# KiCad board sun3_60_layout2_routing2.kicad_pcb (continued)
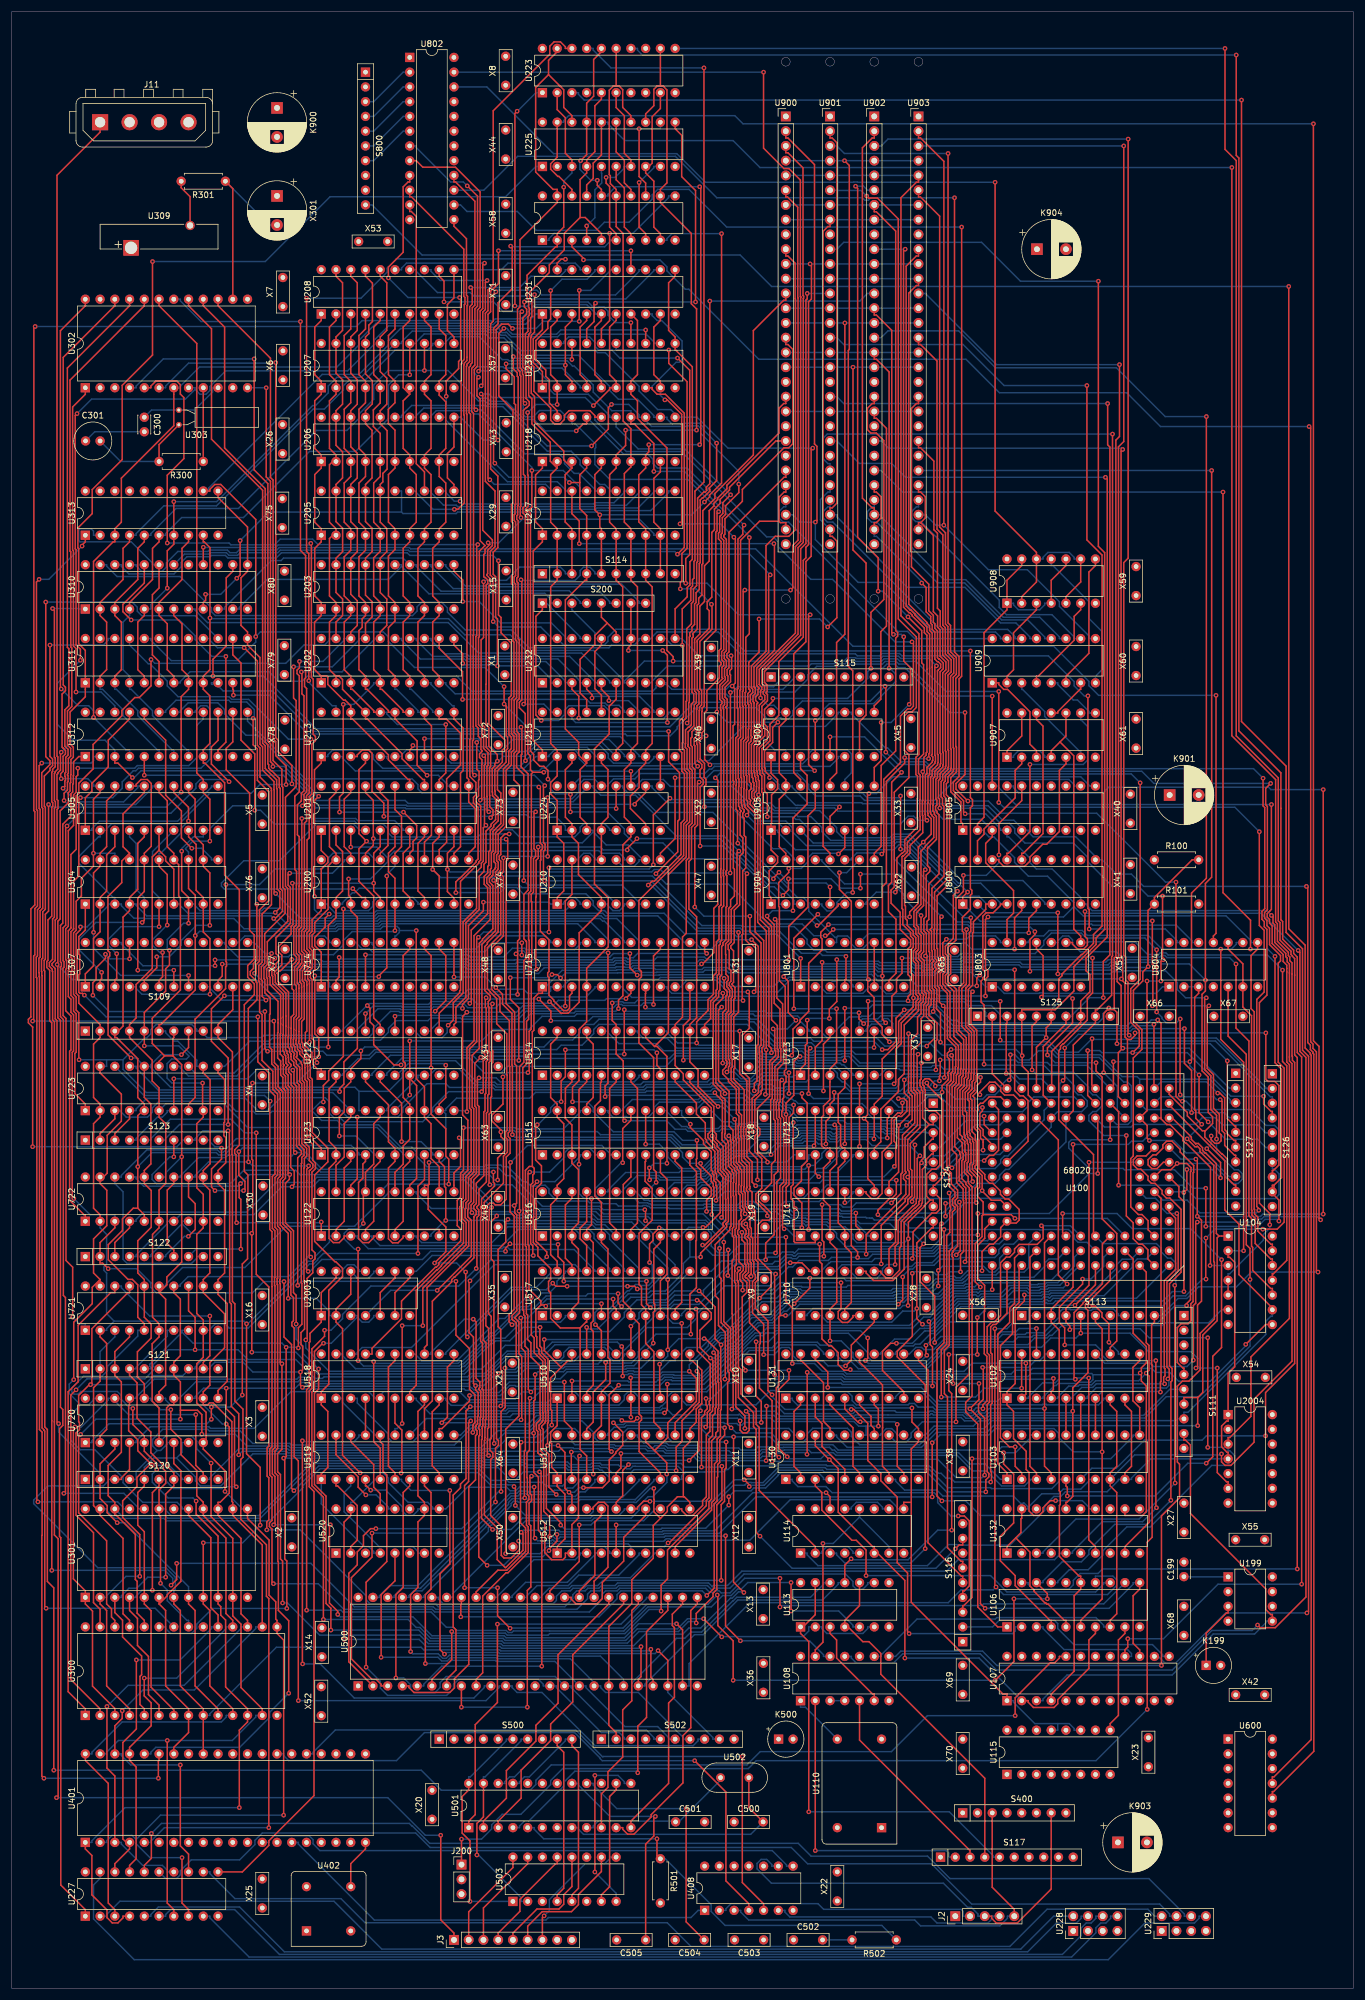
[diagram p0: board, top side]
## Routing (per net, layer and track width the routed paths; a pad name or vN(x,y) marks a point on that pad's centre or on a via; arc(x,y) is an arc through that point) (continued)
/sun3_60_cpu/C.S9-: length 278.2
  Top w0.25: v1(140.3,85.36) 140.99,84.68 U114.14 ; v1(87.78,78.54) 88.09,78.23 88.09,75.42 85.12,72.46 85.02,72.46 83.65,73.83 83.65,79.29 81.44,81.49 81.44,94.31 81.51,94.37 81.51,94.84 81.53,94.86 81.53,96.57 81.62,96.65 81.62,97.89 81.72,97.99 81.72,111.15 81.24,111.63 81.24,132.56 81.38,132.7 81.38,134.42 81.32,134.48 81.41,134.58 81.41,135.33 84.73,138.65 84.73,143.3 85.41,143.98 85.41,146.18 85.09,146.5 85.09,147.47 85.36,147.75 85.36,157.24 85.29,157.31 85.29,164.36 83.55,166.1 83.55,170.43 82.47,171.52 82.47,171.59 81.96,172.1 81.96,179.19 84.26,181.49 84.26,191.23 83.82,191.66 83.82,192.04 84.17,192.39 84.17,192.48 84.28,192.58 84.28,194.07 84,194.35 84,194.96 84.28,195.24 84.28,198.07 84.97,198.77 v1(85.71,198.77) ; U311.14 38.1,229.61 39.51,228.2 39.51,214.92 41.88,212.55 v1(41.88,202.85)
  Bottom w0.25: v1(87.78,78.54) 88.14,78.89 94.24,78.89 94.52,78.62 112.06,78.62 112.22,78.78 121.12,78.78 127.7,85.36 v1(140.3,85.36) ; v1(85.71,198.77) 80.85,198.77 80.34,198.26 65.56,198.26 64.91,198.9 64.91,199.58 63.97,200.53 59.53,200.53 59.07,200.98 52.22,200.98 51.72,200.48 45.24,200.48 42.87,202.85 v1(41.88,202.85)
/sun3_60_cpu/C.S21-: length 412.2
  Top w0.25: v1(172.88,46.95) 172.88,50.03 178.88,56.03 179.65,56.03 180.5,56.88 180.5,57.16 U107.20 ; v1(6.36,203.84) 6.36,185.49 5.81,184.94 5.81,177.21 5.6,177 5.6,175.27 5.7,175.18 5.7,96.69 6.16,96.23 6.16,70.07 7.26,68.96 v1(7.26,37.56) ; v1(29.21,205.98) 29.21,222.4 30.48,223.67 U311.8 30.48,225.93 29.35,227.05 29.35,234.96 27.94,236.37 U310.7
  Bottom w0.25: v1(7.26,37.56) 70.57,37.56 74.01,34.13 89.34,34.13 90.31,35.1 90.31,35.83 92.96,38.48 126.67,38.48 128.96,40.76 151.56,40.76 157.75,46.95 v1(172.88,46.95) ; v1(6.36,203.84) 6.82,203.39 26.62,203.39 v1(29.21,205.98)
/sun3_60_cpu/CLK1: length 275.8
  Top w0.25: v1(140.71,183.17) 139.38,181.83 139.38,180.95 139.62,180.71 139.62,178.82 137.3,176.5 137.3,168.21 135.84,166.75 135.84,166.39 134.61,165.16 134.61,161.1 134.45,160.94 134.45,160.72 134.4,160.67 v1(134.4,160.65) ; v1(176.27,181.94) 176.27,181.46 175.42,180.6 v1(175.42,175.12) ; v1(73.32,120.19) 73.32,120.19 79.19,126.06 79.19,132.25 78.57,132.87 78.57,134 78.7,134.13 78.7,135.06 79.15,135.51 79.15,139.43 80.07,140.35 80.07,151.65 79.79,151.93 79.79,159.28 v1(80.81,160.3) ; U100.28 195.78,130.63 195.78,132.18 194.71,133.24 194.1,133.24 192.78,134.56 192.78,142.88 193.22,143.31 193.22,160.19 194.7,161.68 194.7,165.08 193.25,166.53 193.25,171.85 194.86,173.46 194.86,175 v1(195.79,175.94) 195.76,175.97 195.76,185.59 R101.1 196.87,187.83 203.36,194.32 R100.2
  Bottom w0.25: v1(176.27,181.94) 175.5,182.72 165.14,182.72 164.96,182.9 164.69,183.17 v1(140.71,183.17) ; v1(195.79,175.94) 195.63,175.78 191.63,175.78 191.34,175.49 189.99,175.49 189.72,175.77 189.7,175.77 189.26,175.33 185.28,175.33 185.2,175.4 175.69,175.4 v1(175.42,175.12) ; v1(80.81,160.3) 81.03,160.52 88.26,160.52 88.66,160.12 113.33,160.12 114.21,161 128.53,161 129.04,160.48 129.44,160.48 129.49,160.43 129.73,160.43 129.79,160.37 133.62,160.37 133.89,160.65 v1(134.4,160.65) ; U2003.4 65.3,120.19 v1(73.32,120.19)
/sun3_60_cpu/CLK2X: length 16
  Top w0.25: U113.3 140.99,61.11 142.11,59.99 142.11,56.88 148.32,50.67 148.6,50.67 U108.6
/sun3_60_cpu/CLKA: length 173.4
  Top w0.25: v1(50.82,65.12) 50.82,103.06 51.27,103.51 51.27,105.96 51.25,105.98 51.25,107.33 51.27,107.35 51.27,111.22 51.4,111.35 51.4,112.78 53.34,114.72 U2003.1 53.34,119.8 55.88,122.34 U2003.13 ; v1(134.27,64.98) v1(134.27,69.88)
  Bottom w0.25: v1(134.27,64.98) 142.48,64.98 144.94,62.52 144.94,62.24 U113.5 ; U2003.11 59.83,123.47 59.83,123.75 58.99,124.59 57.85,124.59 57.01,123.75 57.01,123.47 U2003.13 ; v1(50.82,65.12) 56.74,65.12 57.05,64.81 72.25,64.81 74.89,62.17 76.11,62.17 76.66,61.62 85.22,61.62 85.57,61.27 86.17,61.27 86.45,61.55 92.66,61.55 92.67,61.53 105.46,61.53 109.62,65.69 120.54,65.69 122.49,67.64 123.95,67.64 125.09,68.78 125.73,68.78 126.83,69.88 v1(134.27,69.88)
/sun3_60_cpu/CLKA-: length 173.6
  Top w0.25: v1(119.21,63.64) v1(122.33,60.52) ; v1(53.71,63.52) 53.71,84.57 51.72,86.56 51.72,102.69 52.17,103.14 52.17,106.33 52.15,106.35 52.15,106.95 52.17,106.98 52.17,109.66 53.59,111.08 v1(53.73,111.08) ; U2003.9 66.04,122.34 63.5,119.8 U2003.5
  Bottom w0.25: 59.55,115.56 55.06,111.08 v1(53.73,111.08) ; 59.55,115.56 60.39,114.72 61.53,114.72 62.37,115.56 62.37,115.84 U2003.5 ; 59.55,115.56 59.55,115.84 U2003.3 ; v1(122.33,60.52) 122.38,60.57 136.36,60.57 137.32,61.54 137.32,62.24 U113.2 139.57,62.24 139.57,61.96 140.42,61.11 146.63,61.11 147.48,61.96 147.48,62.24 U113.6 ; v1(53.71,63.52) 68.31,63.52 69.69,62.14 70.33,62.14 72.2,60.27 84.66,60.27 85.01,59.92 105.79,59.92 107.77,61.9 114.68,61.9 116.43,63.64 v1(119.21,63.64)
/sun3_60_cpu/D0: length 275.9
  Top w0.25: U100.130 167.53,148.72 v1(167.53,150.18) ; 158.08,148.73 156.93,149.88 156.93,154.4 156.93,154.4 156.93,154.51 156.73,154.7 156.73,155.16 156.49,155.41 156.49,156.38 156.67,156.57 156.67,159.28 v1(156.73,159.34) ; 158.08,148.73 158.77,148.73 S124.2 ; 158.08,148.73 154.82,145.47 154.82,141.11 155.09,140.84 155.09,137.95 155.09,137.95 155.09,136.44 154.87,136.21 154.81,136.21 154.39,135.79 154.39,135.09 152.27,132.98 152.27,128.48 151.15,127.35 U710.8 ; v1(130.89,161.1) 130.89,161.84 130.46,162.27 130.46,182.52 128.97,184 128.97,204.31 128.51,204.78 128.37,204.78 127.94,205.21 127.94,205.81 128.31,206.18 128.31,206.91 128.33,206.93 128.33,207.75 128.18,207.91 128.18,208.52 128,208.7 128,209.33 127.89,209.44 127.89,213.98 128.28,214.37 128.28,214.86 129.28,215.86 129.28,216.81 129.12,216.97 129.1,216.97 128.79,217.27 128.79,220.93 129.75,221.89 129.75,222.6 129.47,222.88 129.47,223.26 129.7,223.48 129.7,224.22 129.25,224.67 129.25,224.71 129.25,224.71 129.25,226.95 135.47,233.17 135.47,248.07 136.38,248.97 136.38,290.98 136.43,291.03 136.43,291.38 136.33,291.48 136.33,313.46 133.73,316.06 133.37,316.06 U900.3
  Bottom w0.25: v1(156.73,159.34) 146.13,159.34 144.55,160.92 143.04,160.92 142.94,160.82 138.18,160.82 138.05,160.7 137.08,160.7 136.95,160.82 136.7,160.82 136.15,161.38 131.16,161.38 v1(130.89,161.1) 130.67,160.88 129.68,160.88 129.62,160.93 129.4,160.93 128.89,161.45 112.31,161.45 111.08,162.67 104.61,162.67 102.73,164.55 102.73,164.84 U514.20 ; v1(167.53,150.18) 160.21,150.18 159.89,149.86 S124.2
/sun3_60_cpu/D1: length 298.8
  Top w0.25: S124.3 158.77,146.19 158.53,146.19 157.19,144.86 157.19,143.05 156.74,142.6 v1(156.74,142.15) 156.45,141.86 156.45,135.64 156.29,135.48 156.29,135 155.6,134.31 155.51,134.31 153.24,132.03 153.24,127.78 152.96,127.5 152.96,123.66 151.63,122.34 150.62,122.34 149.73,123.23 149.73,123.47 U710.9 ; v1(105.59,149.39) 105.36,149.62 105.36,159.67 104.14,160.89 U514.19 104.14,165.96 103.46,166.64 v1(103.46,169.68) ; U900.6 133.37,308.44 133.67,308.44 135.42,306.68 135.42,291.11 135.47,291.06 135.47,249.34 134.57,248.44 134.57,241.15 v1(134.18,240.76) ; v1(126.3,240.76) 126.02,240.48 126.02,223.41 125.91,223.3 125.91,220.82 126.02,220.71 126.02,217.21 126.02,217.2 126.02,215.29 125.63,214.91 125.63,208.51 125.74,208.4 125.74,206.8 125.68,206.74 125.68,204.27 125.74,204.21 125.74,203.67 125.88,203.54 125.88,203.2 126.19,202.88 126.19,202.61 126.07,202.48 126.07,202.43 125.95,202.31 125.95,201.71 126.19,201.46 126.19,198.5 126.46,198.23 126.46,192.91 125.94,192.39 125.94,181.52 125.85,181.44 125.85,170.22 v1(126,170.08)
  Bottom w0.25: v1(103.46,169.68) 103.66,169.88 105.26,169.88 105.45,169.69 107.35,169.69 107.8,170.14 125.94,170.14 v1(126,170.08) ; v1(126.3,240.76) v1(134.18,240.76) ; U100.129 170.35,146.21 164.69,146.21 159.6,141.11 157.77,141.11 v1(156.74,142.15) ; S124.3 157.64,147.32 157.55,147.41 152.3,147.41 152.11,147.6 150.64,147.6 150.29,147.96 141.29,147.96 141.09,148.15 135.58,148.15 135.22,147.79 134.15,147.79 133.99,147.94 128.29,147.94 128.02,148.21 127.42,148.21 127.14,147.94 122.96,147.94 122.91,147.99 122.31,147.99 121.88,147.56 116.51,147.56 116.13,147.94 114.29,147.94 112.84,149.39 v1(105.59,149.39)
/sun3_60_cpu/D2: length 258
  Top w0.25: v1(129.84,153.93) 129.98,154.07 v1(129.98,161.61) 130,161.64 130,182.07 128.52,183.55 128.52,202.55 127.23,203.85 127.23,204.36 127.32,204.45 127.32,204.55 127.04,204.83 127.04,206.18 127.41,206.55 127.41,207.28 127.43,207.3 127.43,207.38 127.1,207.71 127.1,208.96 126.99,209.07 126.99,214.35 127.38,214.74 127.38,215.23 127.54,215.39 127.54,215.5 127.37,215.67 127.37,216.64 127.44,216.71 127.44,221.21 127.26,221.38 127.26,222.73 127.66,223.14 127.66,223.7 127.44,223.92 127.44,223.96 127.44,223.96 127.44,227.69 129.96,230.21 129.96,248.43 131.55,250.02 133.88,250.02 135.02,251.16 135.02,290.87 134.97,290.92 134.97,297.04 133.73,298.28 133.37,298.28 U900.10 ; U710.10 147.19,123.47 147.19,123.18 148.49,121.89 151.82,121.89 153.75,123.81 153.75,131.89 155.71,133.86 155.79,133.86 156.74,134.81 156.74,135.12 156.9,135.27 156.9,141.03 157.59,141.72 157.59,142.76 158.49,143.65 158.77,143.65 S124.4
  Bottom w0.25: 161.37,146.34 161.29,146.26 161.29,146.18 159.89,144.78 S124.4 ; 161.37,146.34 164.49,149.45 167.83,149.45 167.83,149.46 168.52,149.46 U100.143 ; 161.37,146.34 159.08,148.64 155.18,148.64 154.42,149.4 154.31,149.4 154.31,149.4 149.97,149.4 149.61,149.76 148.39,149.76 147.48,150.67 147.48,151.37 146.5,152.35 135.49,152.35 135,152.84 134.76,152.84 134.48,153.12 133.95,153.12 133.72,153.35 133.5,153.35 132.92,153.93 v1(129.84,153.93) ; U514.18 107.81,164.84 107.81,164.59 108.82,163.57 112.93,163.57 114.6,161.9 129.69,161.9 v1(129.98,161.61)
/sun3_60_cpu/D3: length 272.2
  Top w0.25: v1(112.89,142.06) 112.89,160.47 111.18,162.18 110.75,162.18 ; U900.13 133.37,290.66 133,290.66 127.78,285.44 127.78,264.02 121.15,257.4 121.15,256.52 119.07,254.44 119.07,245.3 118.91,245.13 118.91,239.92 118.36,239.37 118.36,238.43 118.1,238.17 118.1,234.02 117.32,233.24 117.32,233.14 117.42,233.03 117.42,232.71 117.2,232.48 117.2,223.2 117.5,222.9 117.5,221.55 117.09,221.13 117.09,217.57 116.66,217.14 116.56,217.14 116.09,216.67 116.09,214.34 116.05,214.3 116.05,213.67 116.35,213.37 116.35,209.96 116.8,209.51 116.8,200.86 116.22,200.28 116.22,194.85 113.14,191.77 113.14,164.57 110.75,162.18 ; U514.17 109.22,163.71 110.75,162.18 ; v1(156.47,143.36) 156,142.89 156,136.04 155.84,135.88 155.84,135.19 155.41,134.76 155.3,134.76 152.72,132.18 152.72,128.29 152.2,127.77 v1(152.2,124.63) ; v1(109.91,139.22) 109.85,139.27 v1(109.85,141.27)
  Bottom w0.25: v1(112.89,142.06) 110.64,142.06 v1(109.85,141.27) ; v1(152.2,124.63) 150.72,124.63 150.02,123.93 150.02,123.23 149.1,122.31 145.6,122.31 144.65,123.26 144.65,123.47 U710.11 ; U100.142 170.29,148.68 166.02,148.68 160.71,143.37 158.77,143.37 S124.5 157.64,142.24 157.64,142.28 156.56,143.36 v1(156.47,143.36) 154.7,145.12 148.23,145.12 147.21,146.15 142.71,146.15 142.33,145.77 140.92,145.77 140.54,146.15 138.93,146.15 138.73,146.35 136.33,146.35 135.97,145.98 133.4,145.98 133.24,146.13 128.67,146.13 126.75,144.21 124.13,144.21 123.12,143.21 122.84,143.21 119.44,139.81 118.83,139.81 118.7,139.68 118.14,139.68 117.65,139.19 111.65,139.19 111.33,139.51 110.2,139.51 v1(109.91,139.22)
/sun3_60_cpu/D4: length 252.4
  Top w0.25: v1(156.16,160.84) 155.99,160.67 155.99,154.81 156.48,154.32 156.48,154.21 156.48,154.21 156.48,148.23 154.37,146.11 154.37,140.93 154.64,140.65 154.64,139.7 ; U100.156 170.01,151.31 170.01,144.3 169.13,143.42 168.44,143.42 v1(167.54,142.52) ; 154.64,139.7 154.64,136.68 153.93,135.98 153.93,135.5 149.8,131.37 v1(149.8,124.74) ; 154.64,139.7 v1(154.37,139.7) ; v1(118.01,162.77) 118.01,166.42 119.96,168.37 119.96,170.24 120.89,171.17 120.89,174.36 121.41,174.88 121.41,180.19 121.86,180.65 121.86,186.22 122.15,186.51 122.15,186.51 122.21,186.57 122.21,191.31 122.15,191.37 122.15,192.72 122.21,192.78 122.21,220.07 122.13,220.15 122.13,220.99 122.36,221.22 122.36,221.59 121.99,221.96 121.99,224.39 122.95,225.35 122.95,225.76 122.8,225.9 122.8,227.25 123.12,227.57 123.12,228.62 122.76,228.98 122.76,229.95 123.12,230.31 123.12,249.49 122.67,249.94 122.67,250.19 122.88,250.39 122.88,253.04 125.88,256.05 125.88,258.09 133.05,265.26 133.87,265.26 134.57,265.96 134.57,282.2 133.73,283.04 133.37,283.04 133.37,284.22
  Bottom w0.25: v1(167.54,142.52) 165.92,142.52 162.91,139.51 158.95,139.51 S124.6 v1(154.37,139.7) ; v1(149.8,124.74) 149.65,124.59 143.06,124.59 142.11,123.65 142.11,123.47 U710.12 ; v1(156.16,160.84) 145.37,160.84 144.83,161.38 142.85,161.38 142.84,161.37 138.08,161.37 137.86,161.15 137.26,161.15 137.04,161.37 136.93,161.37 136.47,161.83 130.89,161.83 130.33,162.39 118.39,162.39 v1(118.01,162.77) 114.71,162.77 112.89,164.59 112.89,164.84 U514.16
/sun3_60_cpu/D5: length 241.6
  Top w0.25: v1(127.39,122.59) 127.39,122.47 127.25,122.34 126.95,122.64 127.4,123.09 127.4,124.93 127.2,125.13 127.2,128.97 126.75,129.43 126.75,129.47 126.98,129.7 126.98,130.67 126.75,130.9 126.75,131.35 v1(126.47,131.62) ; U100.155 170.36,153.5 168.39,153.5 167.29,152.4 166.89,152.4 166.47,151.98 166.47,151.38 166.56,151.28 166.34,151.05 166.34,148.24 166.9,147.67 166.9,146.4 167.17,146.14 167.35,146.14 167.35,145.71 167.35,145.71 v1(167.35,144.32) ; U900.20 133.37,272.88 133,272.88 132.19,272.07 132.19,267.79 123.22,258.82 123.22,258.19 121.6,256.57 121.6,256.33 120.98,255.71 120.98,255.25 120.17,254.44 120.17,245.75 119.36,244.94 119.36,238.79 118.55,237.99 118.55,233.2 117.65,232.3 117.65,231.69 117.65,231.69 117.65,223.38 117.95,223.08 117.95,221.36 117.6,221 117.6,220.44 117.54,220.39 117.54,217.38 117.09,216.93 117.09,216.9 116.54,216.35 116.54,214.15 116.51,214.12 116.51,213.86 116.8,213.56 116.8,210.15 117.25,209.7 117.25,200.67 116.67,200.09 116.67,194.66 116.22,194.21 116.22,181.67 115.57,181.02 115.57,167.23 114.3,165.96 U514.15 114.3,158.9 115.71,157.48 115.71,156.42 120.52,151.61 120.52,147.66 119.95,147.09 119.95,146.49 120.45,145.99 120.45,145.83 121.08,145.2 121.08,144.8 121.66,144.22 121.66,140.64 122.29,140.01 122.29,139.91 122.56,139.64 122.56,139.51 122.52,139.46 122.52,132.97 v1(122.29,132.74) ; U710.13 137.32,123.47 137.32,123.75 136.12,124.94 v1(134.13,124.94) ; v1(160.3,140.25) 160.3,139.57 159.01,138.29 158.77,138.29 S124.7 159.9,136.02 159.9,134.13 159.26,133.49 158.52,133.49 155.29,130.26 155.29,125.81 v1(155.15,125.67)
  Bottom w0.25: U710.13 139.57,123.47 139.57,123.66 140.79,124.88 140.88,124.88 141.13,125.13 148.18,125.13 148.72,125.67 v1(155.15,125.67) ; v1(126.47,131.62) 123.4,131.62 v1(122.29,132.74) ; v1(134.13,124.94) 133.4,124.94 132.29,123.83 128.62,123.83 v1(127.39,122.59) ; v1(160.3,140.25) 160.3,140.62 164.01,144.32 v1(167.35,144.32)
/sun3_60_cpu/D6: length 265.6
  Top w0.25: v1(121.7,151.84) 118.25,155.29 118.25,158.12 116.84,159.54 U514.14 116.84,165.96 118,167.12 118,184.51 116.67,185.84 116.67,194.02 117.12,194.47 117.12,199.9 117.71,200.49 117.71,209.88 117.25,210.33 117.25,213.75 116.99,214.01 116.99,215.24 117.2,215.44 117.2,216.37 117.54,216.72 117.54,216.74 117.99,217.19 117.99,220.2 118.05,220.26 118.05,220.81 118.4,221.17 118.4,223.27 118.1,223.57 118.1,231.88 118.1,231.88 118.1,232.11 120.17,234.18 120.17,237.21 119.82,237.56 119.82,238.75 120.62,239.55 120.62,250.69 121.07,251.14 121.07,254.7 122.06,255.69 122.06,256.39 123.67,258 123.67,258.45 131.65,266.44 133.37,266.44 ; U100.154 172.59,153.82 171.04,153.82 170.38,154.48 170.38,155.06 169.41,156.03 168.48,156.03 166.81,154.36 v1(166.81,153.87) ; 158.23,135.75 157.62,136.36 157.62,140.15 158.51,141.04 159.2,141.04 159.89,141.73 159.89,150.34 159.17,151.06 158.04,151.06 157.39,151.72 157.39,154.69 157.21,154.87 157.21,155.32 156.94,155.59 156.94,156.2 157.36,156.62 158.03,156.62 158.15,156.5 158.23,156.5 159.27,155.46 159.27,155.13 159.22,155.13 159.12,155.23 v1(159.12,155.36) ; 158.23,135.75 157.19,134.71 157.19,134.62 154.48,131.91 v1(154.48,129.08) 154.42,129.02 v1(154.42,117.58) ; 158.23,135.75 158.77,135.75 S124.8 ; v1(126.34,133.36) 126.2,133.51 126.2,134.24 125.93,134.5 125.93,136.78 125.68,137.03 125.68,138.15 125.75,138.22 125.75,140.93 125.45,141.22 125.45,141.54 124.84,142.15 124.84,143.18 124.84,143.18 124.84,146.14 124.73,146.25 124.73,149.48 v1(124.56,149.65)
  Bottom w0.25: v1(166.81,153.87) 165.15,155.53 159.28,155.53 v1(159.12,155.36) ; v1(154.42,117.58) 153.55,117.58 153.05,117.08 138.06,117.08 137.03,116.05 137.03,115.84 U710.1 ; v1(121.7,151.84) 122.37,151.84 v1(124.56,149.65) ; v1(154.48,129.08) 153.79,128.39 145.62,128.39 144.94,129.07 144.94,129.77 143.58,131.13 140.68,131.13 140.29,131.52 137.44,131.52 137.44,131.52 137.09,131.52 136.87,131.29 136.85,131.29 136.43,131.71 136.35,131.71 136.34,131.72 133.81,131.72 133.48,132.05 130.54,132.05 130.35,132.24 127.46,132.24 v1(126.34,133.36)
/sun3_60_cpu/D7: length 277
  Top w0.25: v1(125.41,164.84) 125.41,157.51 126.65,156.28 126.65,148.08 126.54,147.98 126.54,147 126.65,146.89 126.65,143.93 126.65,143.93 126.65,143.22 127.55,142.31 127.55,138.82 v1(128.18,138.2) ; U100.140 180.31,146.09 180.31,122.8 v1(181.82,121.29) ; S124.9 158.77,130.95 158.53,130.95 155.93,128.35 v1(155.93,117.06) 155.93,115.33 v1(156.91,114.36) ; v1(152.4,139.14) 152.4,136.77 151.64,136.02 151.24,136.02 149.22,134 v1(149.22,133.21) ; U514.13 119.38,165.96 120.41,166.99 120.41,169.97 121.35,170.9 121.35,171.84 121.56,172.05 121.56,174.39 121.86,174.69 121.86,179.59 122.09,179.82 122.09,180.23 122.31,180.46 122.31,186.03 122.61,186.33 122.61,186.33 122.67,186.39 122.67,191.5 122.6,191.56 122.6,192.54 122.67,192.6 122.67,220.26 122.59,220.34 122.59,220.8 122.81,221.03 122.81,221.78 122.44,222.15 122.44,224.21 123.4,225.16 123.4,225.95 123.26,226.09 123.26,227.07 123.57,227.38 123.57,228.8 123.21,229.16 123.21,229.77 123.57,230.13 123.57,250.71 133.05,260.18 133.37,260.18 U900.25
  Bottom w0.25: U710.2 139.57,115.84 139.57,115.66 140.52,114.72 151.61,114.72 153.5,116.61 155.49,116.61 v1(155.93,117.06) ; v1(149.22,133.21) 149.67,132.77 156.95,132.77 157.64,132.08 S124.9 ; v1(181.82,121.29) 181.15,120.62 178.66,120.62 178.44,120.4 177.25,120.4 177.02,120.17 175.36,120.17 174.95,120.58 172.18,120.58 170.73,119.13 167.2,119.13 166.74,118.68 166.21,118.68 166.14,118.74 164.96,118.74 164.96,118.74 162.87,118.74 158.74,114.61 158.74,114.53 158.31,114.1 157.16,114.1 v1(156.91,114.36) ; U514.13 v1(125.41,164.84) ; v1(128.18,138.2) 131.15,138.2 131.63,138.68 139.2,138.68 139.66,139.14 v1(152.4,139.14)
/sun3_60_cpu/D8: length 290.7
  Top w0.25: v1(153.77,156.42) 153.77,154.17 154.67,153.27 154.67,150.47 v1(152.79,148.59) 152.8,148.58 152.8,140.56 151.15,138.91 U711.8 ; U100.168 168.93,157.48 S125.2 ; v1(160.66,156.83) 160.74,156.92 160.74,168.91 v1(160.47,169.17) 159.83,169.82 159.83,172.24 159.5,172.57 159.5,175 159.83,175.33 159.83,175.71 159.48,176.06 159.48,176.25 159.8,176.57 159.8,177.27 159.5,177.57 159.5,178.97 159.38,179.09 159.38,182.19 159.44,182.25 159.44,188.12 161.57,190.26 161.57,204.97 161.02,205.52 161.02,207.42 161.29,207.69 161.29,208.61 162.22,209.54 162.22,209.85 162.3,209.94 162.3,213.53 162.2,213.64 162.2,225.74 162.75,226.29 162.75,229.13 161.75,230.14 161.75,234.67 161.32,235.1 v1(161.32,315.94)
  Bottom w0.25: v1(161.32,315.94) 143.46,315.94 142.16,317.24 U901.3 ; v1(153.77,156.42) 154.33,156.98 160.51,156.98 v1(160.66,156.83) ; S125.2 167.8,167.38 167.8,168.02 167.05,168.77 160.88,168.77 v1(160.47,169.17) ; U515.20 102.73,151.14 102.73,150.86 103.62,149.96 105.13,149.96 105.29,150.12 105.89,150.12 106.04,149.96 109.65,149.96 110.63,150.94 110.63,151.64 111.58,152.59 118.49,152.59 118.94,153.04 122.21,153.04 122.38,152.88 123.09,152.88 123.82,152.14 132.35,152.14 133.28,151.21 133.79,151.21 134.13,150.87 134.13,150.5 134.82,149.81 134.95,149.81 135.35,149.41 135.36,149.41 143.33,149.41 143.88,148.86 152.52,148.86 v1(152.79,148.59)
/sun3_60_cpu/D9: length 273
  Top w0.25: v1(171.33,157.53) 171.33,166.11 171.47,166.25 S125.3 ; v1(154.42,170.05) 154.42,170.8 154.84,171.22 154.84,174.12 154.41,174.55 154.41,178.99 154.86,179.43 154.86,180.54 153.07,182.33 153.07,185.28 151.5,186.85 151.5,189.1 152.05,189.65 152.05,205.94 154.57,208.46 154.57,212.39 153.79,213.17 153.79,219.1 154.45,219.76 155.06,219.76 155.85,220.55 155.85,232.7 152.74,235.8 152.74,304.66 149.15,308.25 147.64,308.25 v1(147.29,308.61) ; U711.9 148.6,138.29 147.48,139.41 147.48,149.15 v1(146.84,149.79) 147.45,150.4 147.45,165.74 147.54,165.83 v1(147.54,169.97)
  Bottom w0.25: v1(146.84,149.79) 146.67,149.95 135.44,149.95 134.58,150.82 134.58,151.09 134.01,151.66 133.46,151.66 132.53,152.59 126.74,152.59 126,153.33 122.57,153.33 122.4,153.49 118.76,153.49 118.31,153.04 106.93,153.04 105.27,151.38 105.27,151.14 U515.19 ; U901.6 142.16,309.62 142.21,309.57 146.33,309.57 v1(147.29,308.61) ; 154.42,169.97 v1(154.42,170.05) ; 154.42,169.97 154.62,169.77 157.27,169.77 157.4,169.9 160.77,169.9 160.78,169.89 164.09,169.89 164.76,169.22 168.78,169.22 170.34,167.66 170.34,167.38 S125.3 ; 154.42,169.97 v1(147.54,169.97) ; U100.167 174,155.29 171.76,157.53 v1(171.33,157.53)
/sun3_60_cpu/D10: length 318.2
  Top w0.25: U100.153 175.13,153.81 175.13,157.77 174.09,158.81 v1(174.09,160.59) 174,160.67 S125.4 174,168.5 179.77,168.5 182.99,171.72 182.99,175.93 186.82,179.75 186.82,180.87 188.29,182.34 188.29,247.2 187.21,248.28 v1(187.21,293.94) ; U515.18 106.68,149.46 105.27,148.05 v1(105.27,142.17) ; v1(161.84,161.65) 161.19,161.01 161.19,160.35 161.55,159.99 161.55,157.97 161.29,157.7 161.29,157.22 161.38,157.13 161.38,156.53 161.29,156.44 161.29,156.4 160.29,155.4 v1(160.29,154.3) ; U711.10 147.19,137.16 147.19,136.88 148.08,135.99 149.08,135.99 149.96,136.87 149.96,143.97 151.57,145.58 151.57,149.67 152.64,150.74 153.01,150.74 153.15,150.61 153.46,150.92 v1(153.46,152.47)
  Bottom w0.25: v1(160.29,154.3) 160.17,154.18 155.17,154.18 v1(153.46,152.47) ; U711.10 144.94,137.16 144.94,136.9 144.05,136.01 139.66,136.01 139.12,135.48 133.16,135.48 132.57,134.88 128.41,134.88 127.8,135.49 125.71,135.49 125.1,134.88 121.18,134.88 121.12,134.95 121.04,134.95 120.96,135.02 119.29,135.02 119.15,134.88 110.21,134.88 109.98,135.11 109.71,135.11 109.56,135.26 108.08,135.26 107.33,136.01 101.14,136.01 100.47,136.68 100.47,137.65 104.99,142.17 v1(105.27,142.17) ; v1(174.09,160.59) 173.02,161.65 v1(161.84,161.65) ; v1(187.21,293.94) 173.79,293.94 167.1,300.63 143.34,300.63 142.16,299.46 U901.10
/sun3_60_cpu/D11: length 320.5
  Top w0.25: v1(127.18,184.61) 127.18,181.93 129.1,180.01 129.1,162.4 128.8,162.1 128.8,161.12 128.85,161.07 128.85,155.64 128.66,155.44 128.66,154.25 128.23,153.82 128.13,153.82 127.56,153.25 127.56,147.64 v1(127.72,147.49) ; v1(118.43,207.7) 118.16,207.43 118.16,200.3 117.68,199.83 v1(117.68,186.19) ; v1(155.11,135.49) 155.03,135.57 155.03,135.74 155.54,136.25 155.54,145.17 v1(155.62,145.24) ; U711.11 v1(143.53,135.28) ; U515.17 v1(109.22,145.36) ; S125.5 176.55,166.44 175.79,165.68 v1(175.79,158.14) ; v1(128.67,205.51) 128.76,205.6 128.76,206.72 128.79,206.74 128.79,207.94 128.63,208.09 128.63,208.71 128.45,208.89 128.45,209.52 128.34,209.63 128.34,213.79 128.73,214.18 128.73,214.67 129.73,215.67 129.73,216.99 129.31,217.42 129.28,217.42 129.25,217.46 129.25,220.75 130.2,221.7 130.2,222.79 129.97,223.02 129.97,223.12 130.15,223.3 130.15,224.41 129.89,224.67 129.7,224.86 129.7,224.89 129.7,224.89 129.7,226.76 135.92,232.99 135.92,247.88 136.83,248.78 136.83,290.68 137.05,290.9 v1(137.05,291.84)
  Bottom w0.25: v1(127.18,184.61) 119.26,184.61 v1(117.68,186.19) ; 155.11,135.99 144.69,135.99 143.99,135.28 v1(143.53,135.28) ; 155.11,135.99 v1(155.11,135.49) ; 155.11,135.99 161.55,135.99 162.59,137.02 164.69,137.02 166.28,138.61 169.4,138.61 170.2,139.4 170.2,139.99 171.22,141.01 171.78,141.01 179.09,148.31 U100.139 180.17,150.95 184.32,150.95 185.29,151.92 185.29,152.82 184.26,153.85 183.71,153.85 183.08,154.49 183.08,155.45 181.23,157.29 176.64,157.29 v1(175.79,158.14) ; v1(155.62,145.24) 154.66,146.2 152.87,146.2 151.92,147.15 150.46,147.15 150.1,147.5 142.15,147.5 141.77,147.13 141.48,147.13 141.11,147.5 139.49,147.5 139.3,147.7 135.77,147.7 135.4,147.33 133.96,147.33 133.81,147.49 v1(127.72,147.49) 125.45,147.49 123.99,146.02 123.74,146.02 118.88,141.17 115.01,141.17 113.03,143.15 113.03,143.91 111.58,145.36 v1(109.22,145.36) ; v1(128.67,205.51) 126.48,207.7 v1(118.43,207.7) ; U901.13 v1(137.05,291.84)
/sun3_60_cpu/D12: length 272.2
  Top w0.25: v1(154.5,164.39) 154.5,164.39 154.5,156.12 154.5,156.12 154.5,154.28 155.13,153.65 155.13,149.58 v1(154.16,148.61) ; U711.12 140.99,140.81 142.11,141.94 142.11,148.35 v1(141.78,148.68) ; U100.166 176.55,162.04 v1(178.22,163.71) 178.22,165.38 179.09,166.25 S125.6 ; v1(180.38,170.14) 180.38,173.8 180.95,174.37 180.95,174.66 184.3,178.01 184.44,178.01 186.36,179.94 186.36,181.44 187.84,182.92 187.84,246.79 185.23,249.4 v1(185.23,275.98)
  Bottom w0.25: v1(180.38,170.14) 180.38,169.79 179.09,168.5 S125.6 ; U515.16 112.89,151.14 112.89,150.94 115.43,148.39 116.31,148.39 116.66,148.05 121.73,148.05 122.12,148.44 123.1,148.44 123.12,148.41 124.09,148.41 124.12,148.39 126.95,148.39 127.23,148.67 128.21,148.67 128.48,148.39 134.18,148.39 134.33,148.24 134.84,148.24 135.28,148.68 v1(141.78,148.68) 142.05,148.41 150.48,148.41 150.83,148.05 152.3,148.05 152.49,147.86 153.4,147.86 v1(154.16,148.61) ; 140.99,284.22 142.16,284.22 143.34,283.04 163.91,283.04 170.96,275.98 v1(185.23,275.98) ; v1(154.5,164.39) 154.73,164.16 177.77,164.16 v1(178.22,163.71)